# Altium PCB Hexapod_motherboard.PcbDoc (part 1 of 2)
Units mm, origin at the board's own origin, x right, y up, seen from the top; angles counter-clockwise.
Board outline 86 x 86 mm, 2 copper layers (Top Layer, Bottom Layer); 190 components, 154 nets, 690 pads, 82 vias.
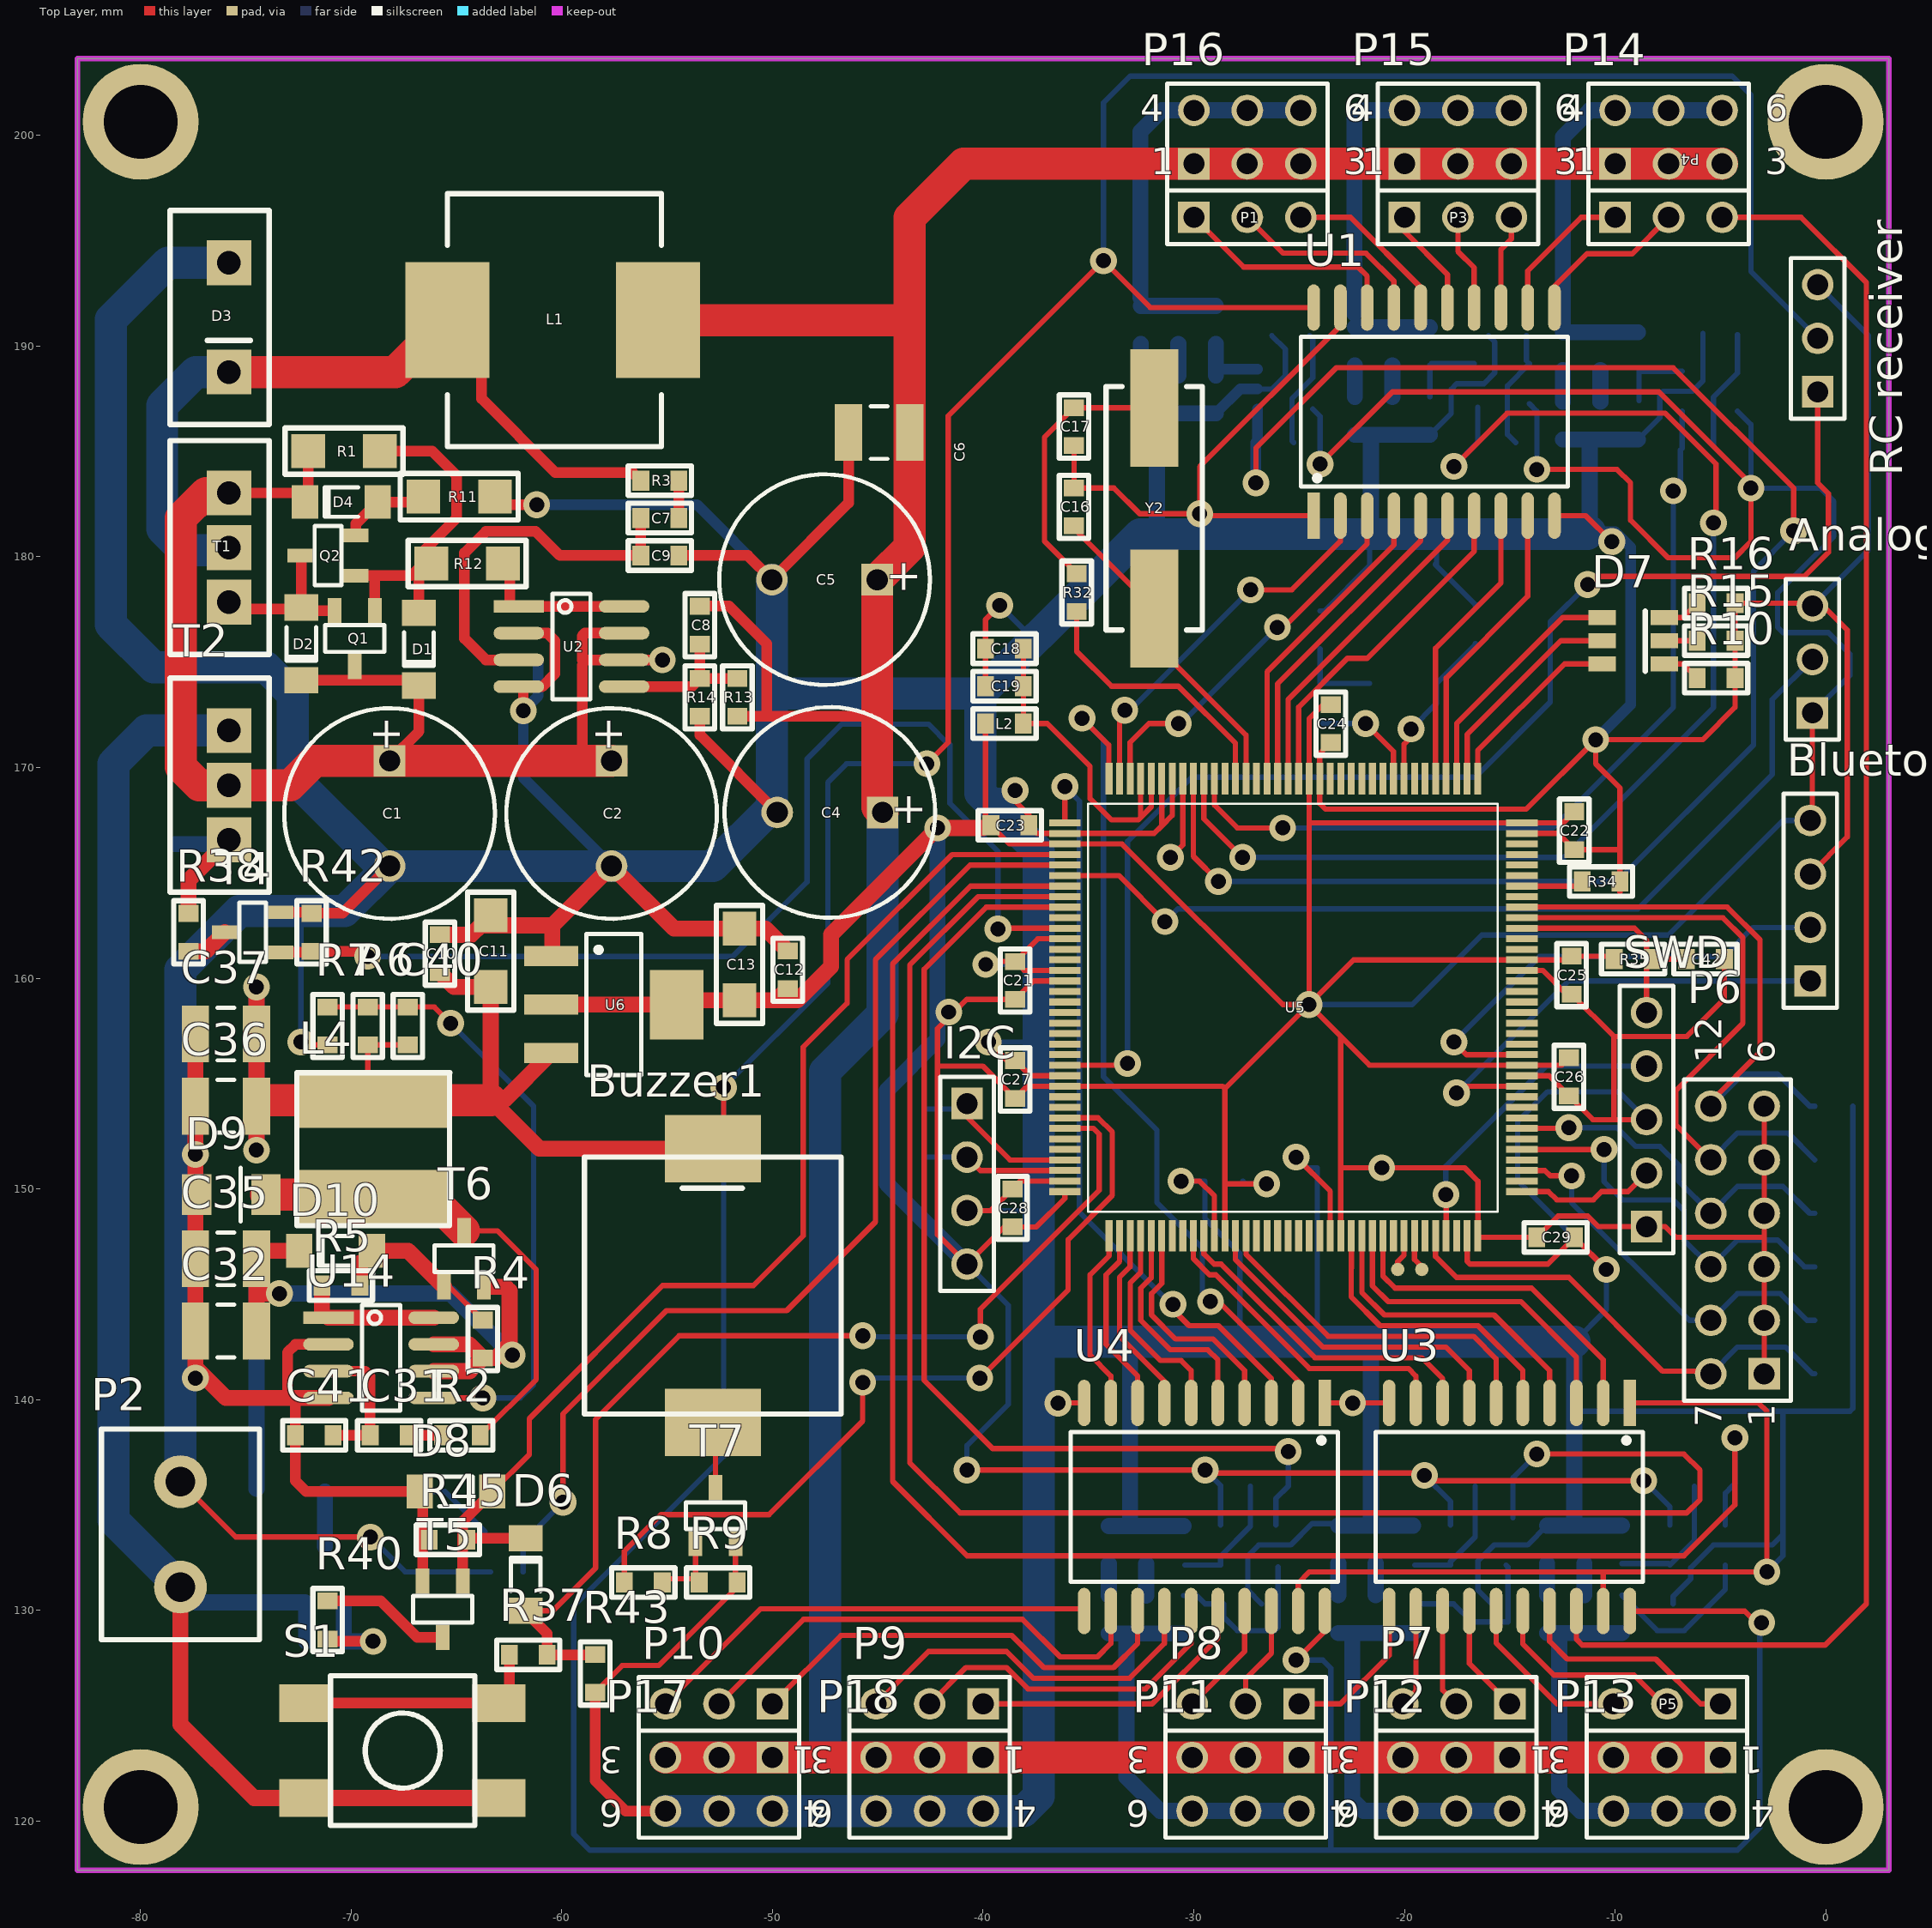
[diagram p0: Top Layer view]
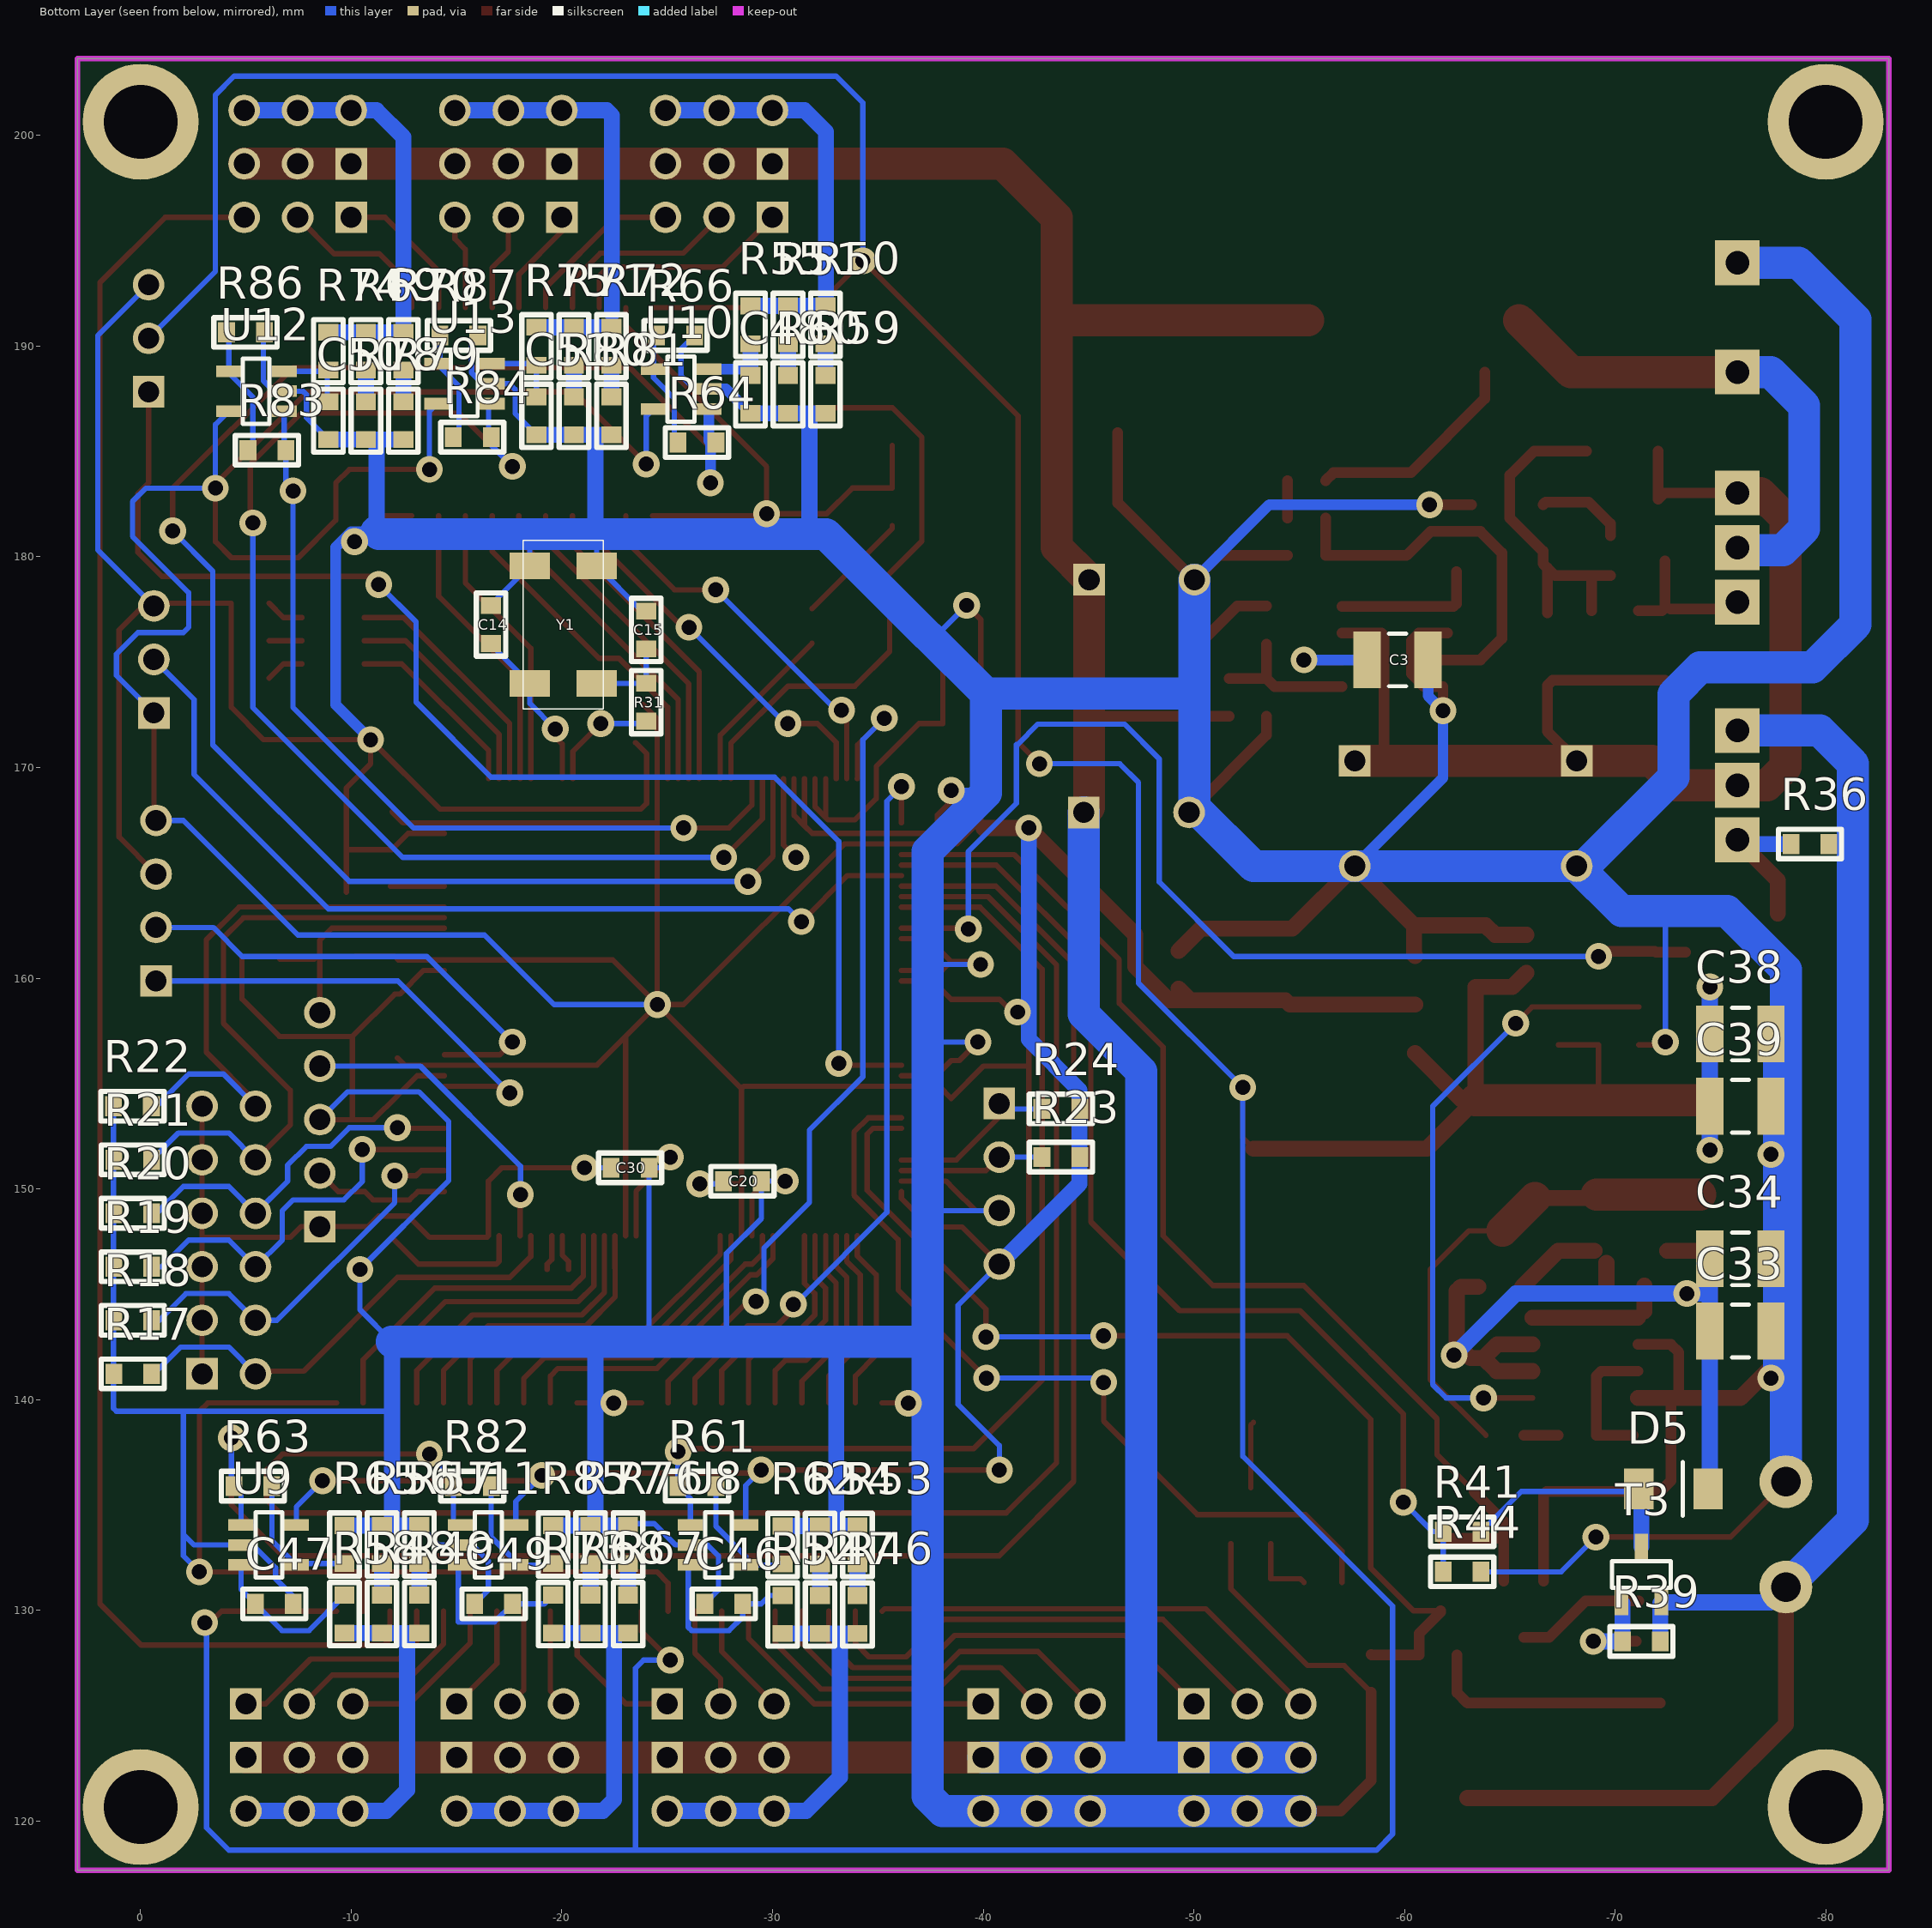
[diagram p1: Bottom Layer view, seen from below]
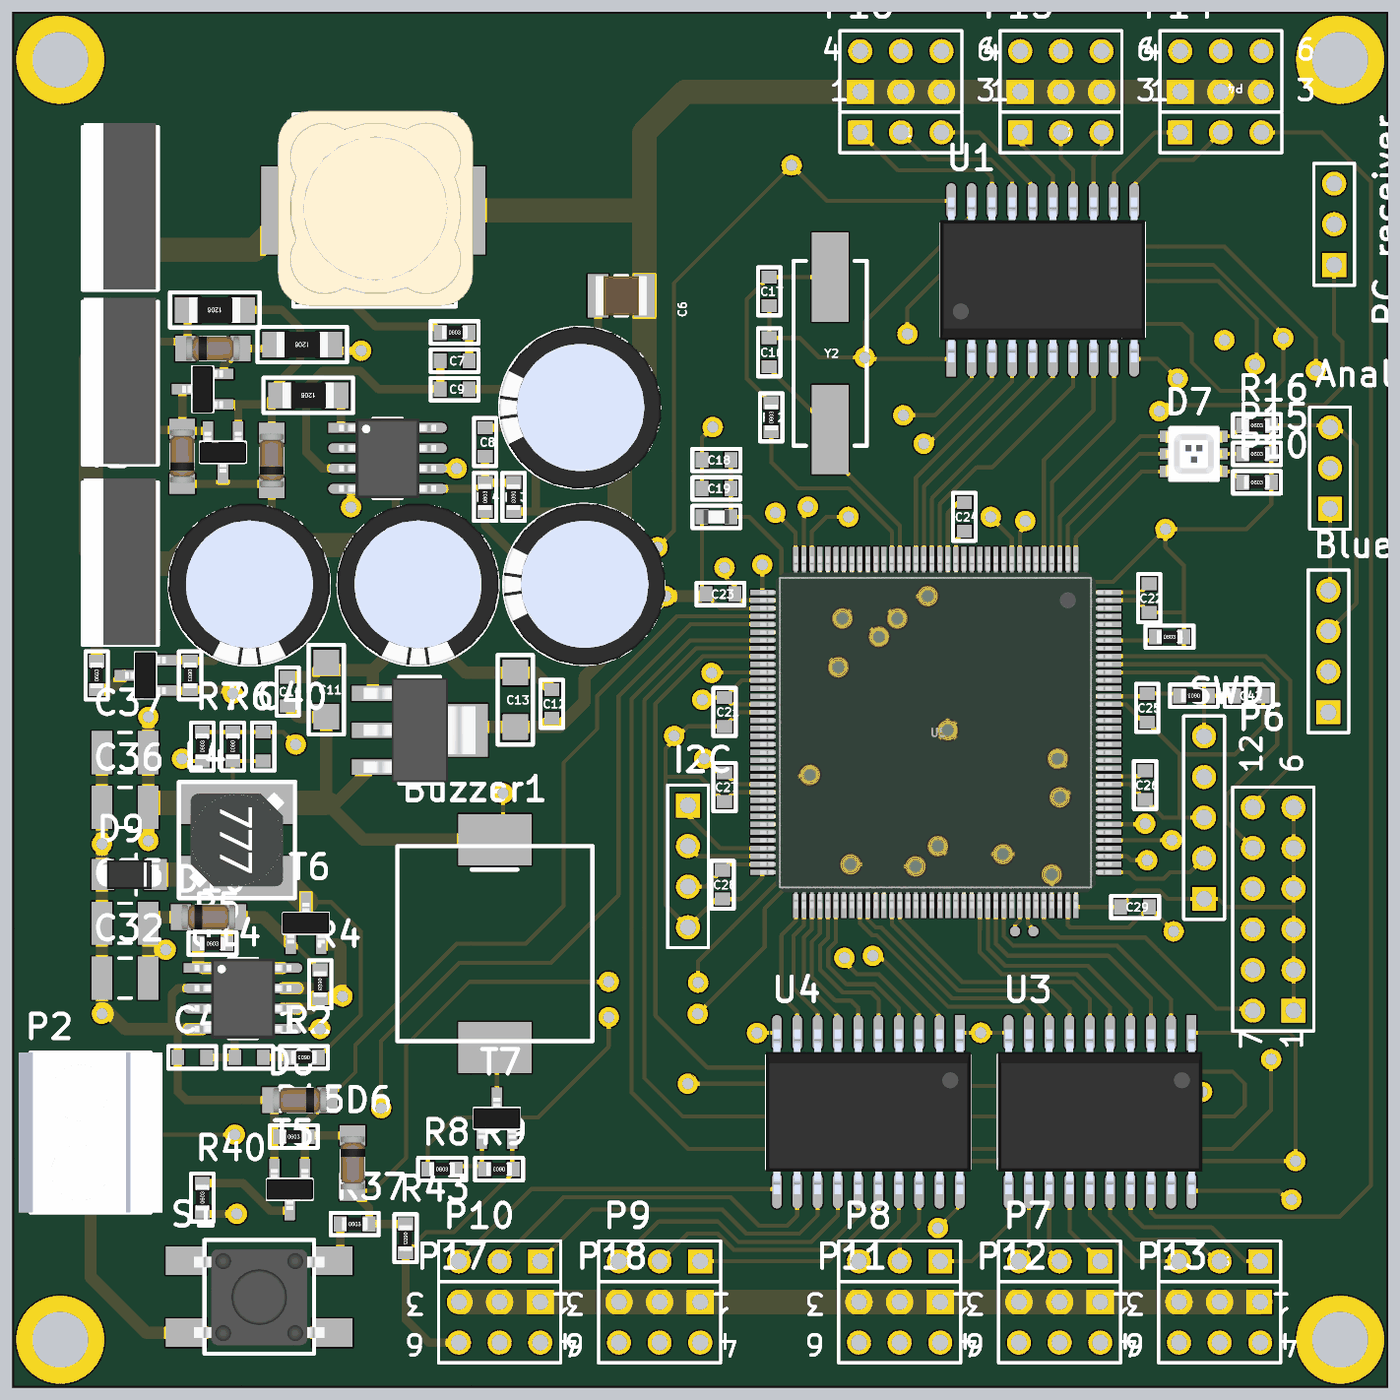
[diagram p3: 3D render of the assembled board from above, using the file's embedded part models]
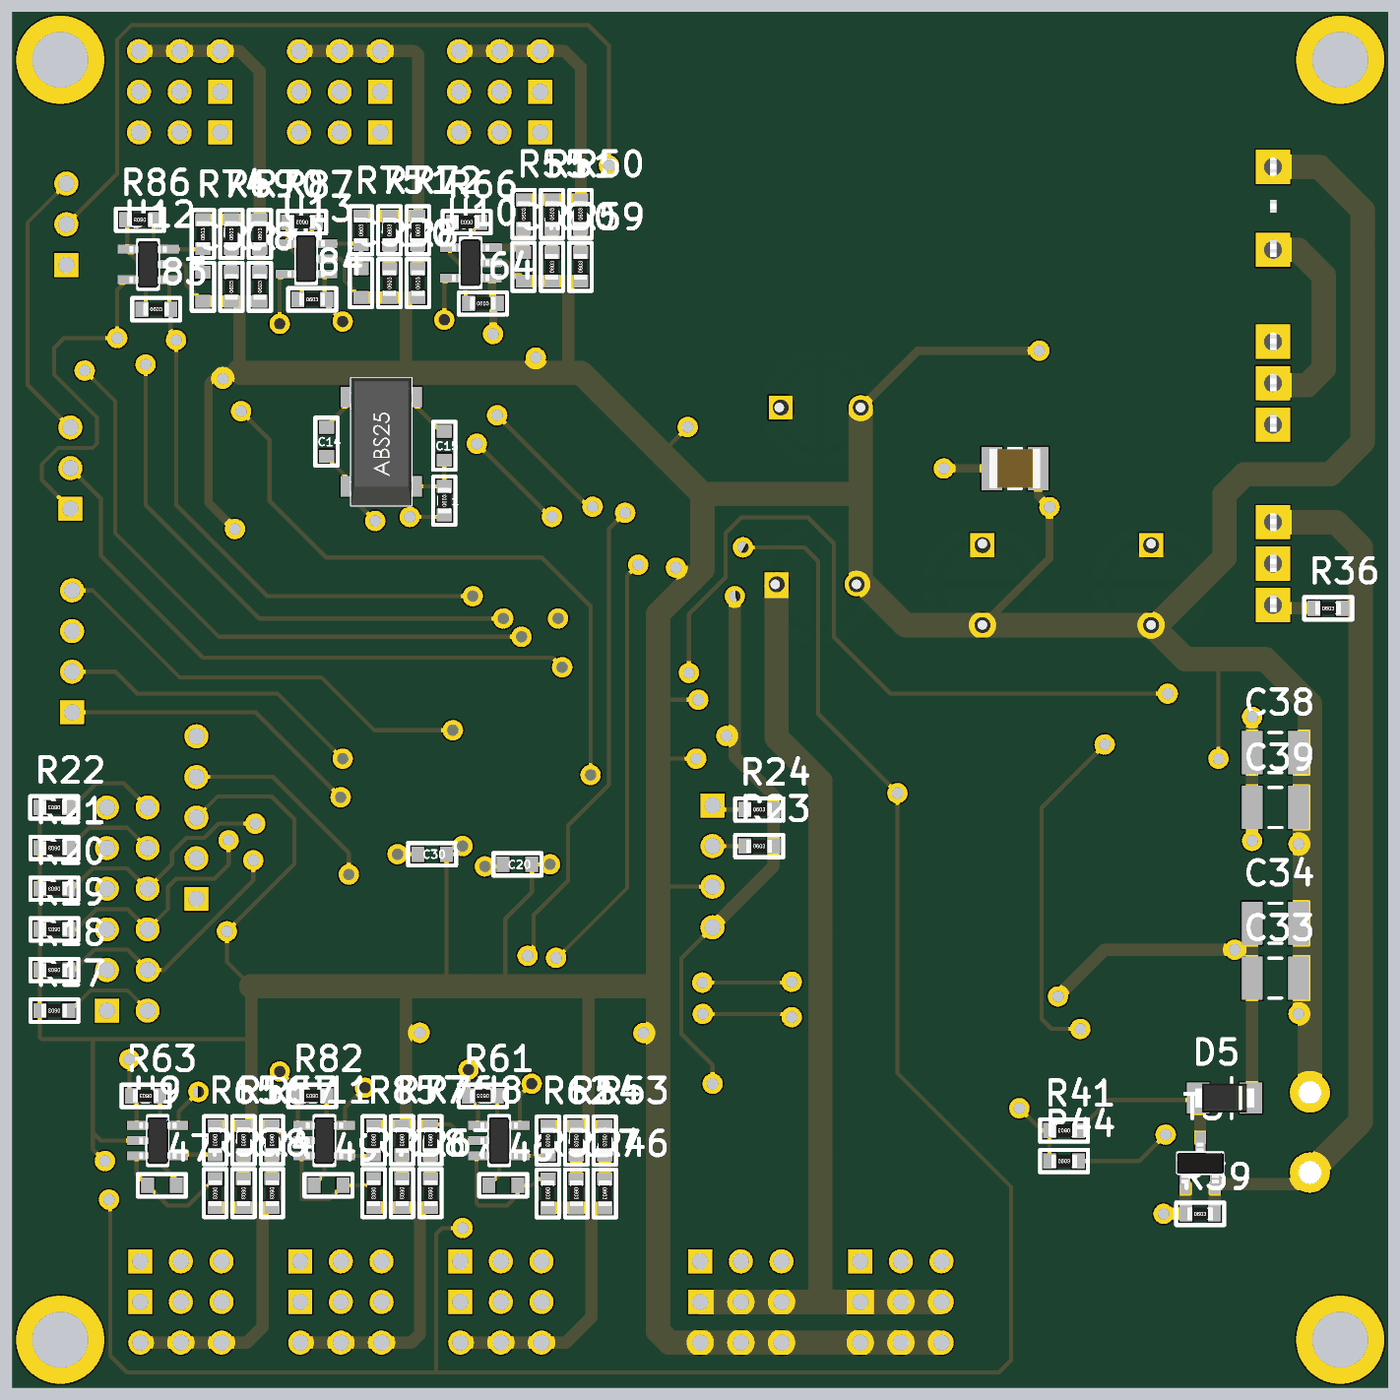
[diagram p4: 3D render of the assembled board from below, using the file's embedded part models]

## Layer stack, top to bottom
Top Layer: signal copper 0.0356
Dielectric: dielectric 0.32, FR-4, Dk 4.8
Bottom Layer: signal copper 0.0356

## Board outline
-83,117.655 3,117.655 3,203.655 -83,203.655

## Design rules (kind name [scope] priority, off if disabled: settings)
Clearance "Clearance_to uc" [HasFootprint('LQFP144')] p1: gap=0.152
Clearance [All] p2: gap=0.254
Height [All] p1: minheight=0 maxheight=40 prefheight=12.7
MinimumSolderMaskSliver "MinimumSolderMaskSliver_to uc" [All] p1: minsoldermaskwidth=0
MinimumSolderMaskSliver [All] p2: minsoldermaskwidth=0.203
PolygonConnect [All] p1: connectstyle=Relief reliefconductorwidth=0.254 reliefentries=4 polygonreliefangle="90 Angle"
RoutingVias [All] p1: holewidth=0.711 width=1.27 viastyle="Through Hole" minholewidth=0.711 minwidth=1.27 maxholewidth=0.711 maxwidth=1.27
SilkToSilkClearance [All] p1 off: silktosilkclearance=0.254
SilkscreenOverComponentPads [All] p1 off: minsilkscreentomaskgap=0.254
SolderMaskExpansion [All] p1: expansion=0.102
Width [All] p1: maxlimit=10.16 minlimit=0.254 preferedwidth=0.254
24 further rules are at their usual default settings.

## Classes and differential pairs
component class Hexapod_motherboard: Analog Bluetooth1 Buzzer1 C1 C2 C3 C4 C5 C6 C7 C8 C9 C10 C11 C12 C13 C14 C15 C16 C17 C18 C19 C20 C21 C22 C23 C24 C25 C26 C27 C28 C29 C30 C31 C32 C33 C34 C35 C36 C37 C38 C39 C40 C41 C42 D1 D2 D3 D4 D5 D6 D7 D8 D9 D10 I2C L1 L2 L4 P1 P2 P3 P4 P5 P6 P7 P8 P9 P10 Q1 Q2 R1 R2 R3 R4 R5 R6 R7 R8 R9 R10 R11 R12 R13 R14 R15 R16 R17 R18 R19 R20 R21 R22 R23 R24 R31 R32 R34 R35 R36 R37 R38 R39 R40 R41 R42 R43 R44 R45 "RC receiver" S1 SWD T1 T2 T3 T4 T5 T6 T7 U1 U2 U3 U4 U5 U6 U14 Y1 Y2
component class Designator: C46 C47 C48 C49 C50 C51 P11 P12 P13 P14 P15 P16 P17 P18 R46 R47 R48 R49 R50 R51 R52 R53 R54 R55 R56 R57 R58 R59 R60 R61 R62 R63 R64 R65 R66 R67 R68 R69 R70 R71 R72 R73 R74 R75 R76 R77 R78 R79 R80 R81 R82 R83 R84 R85 R86 R87 U8 U9 U10 U11 U12 U13
